# KiCad board DOOR-8CH.kicad_pcb
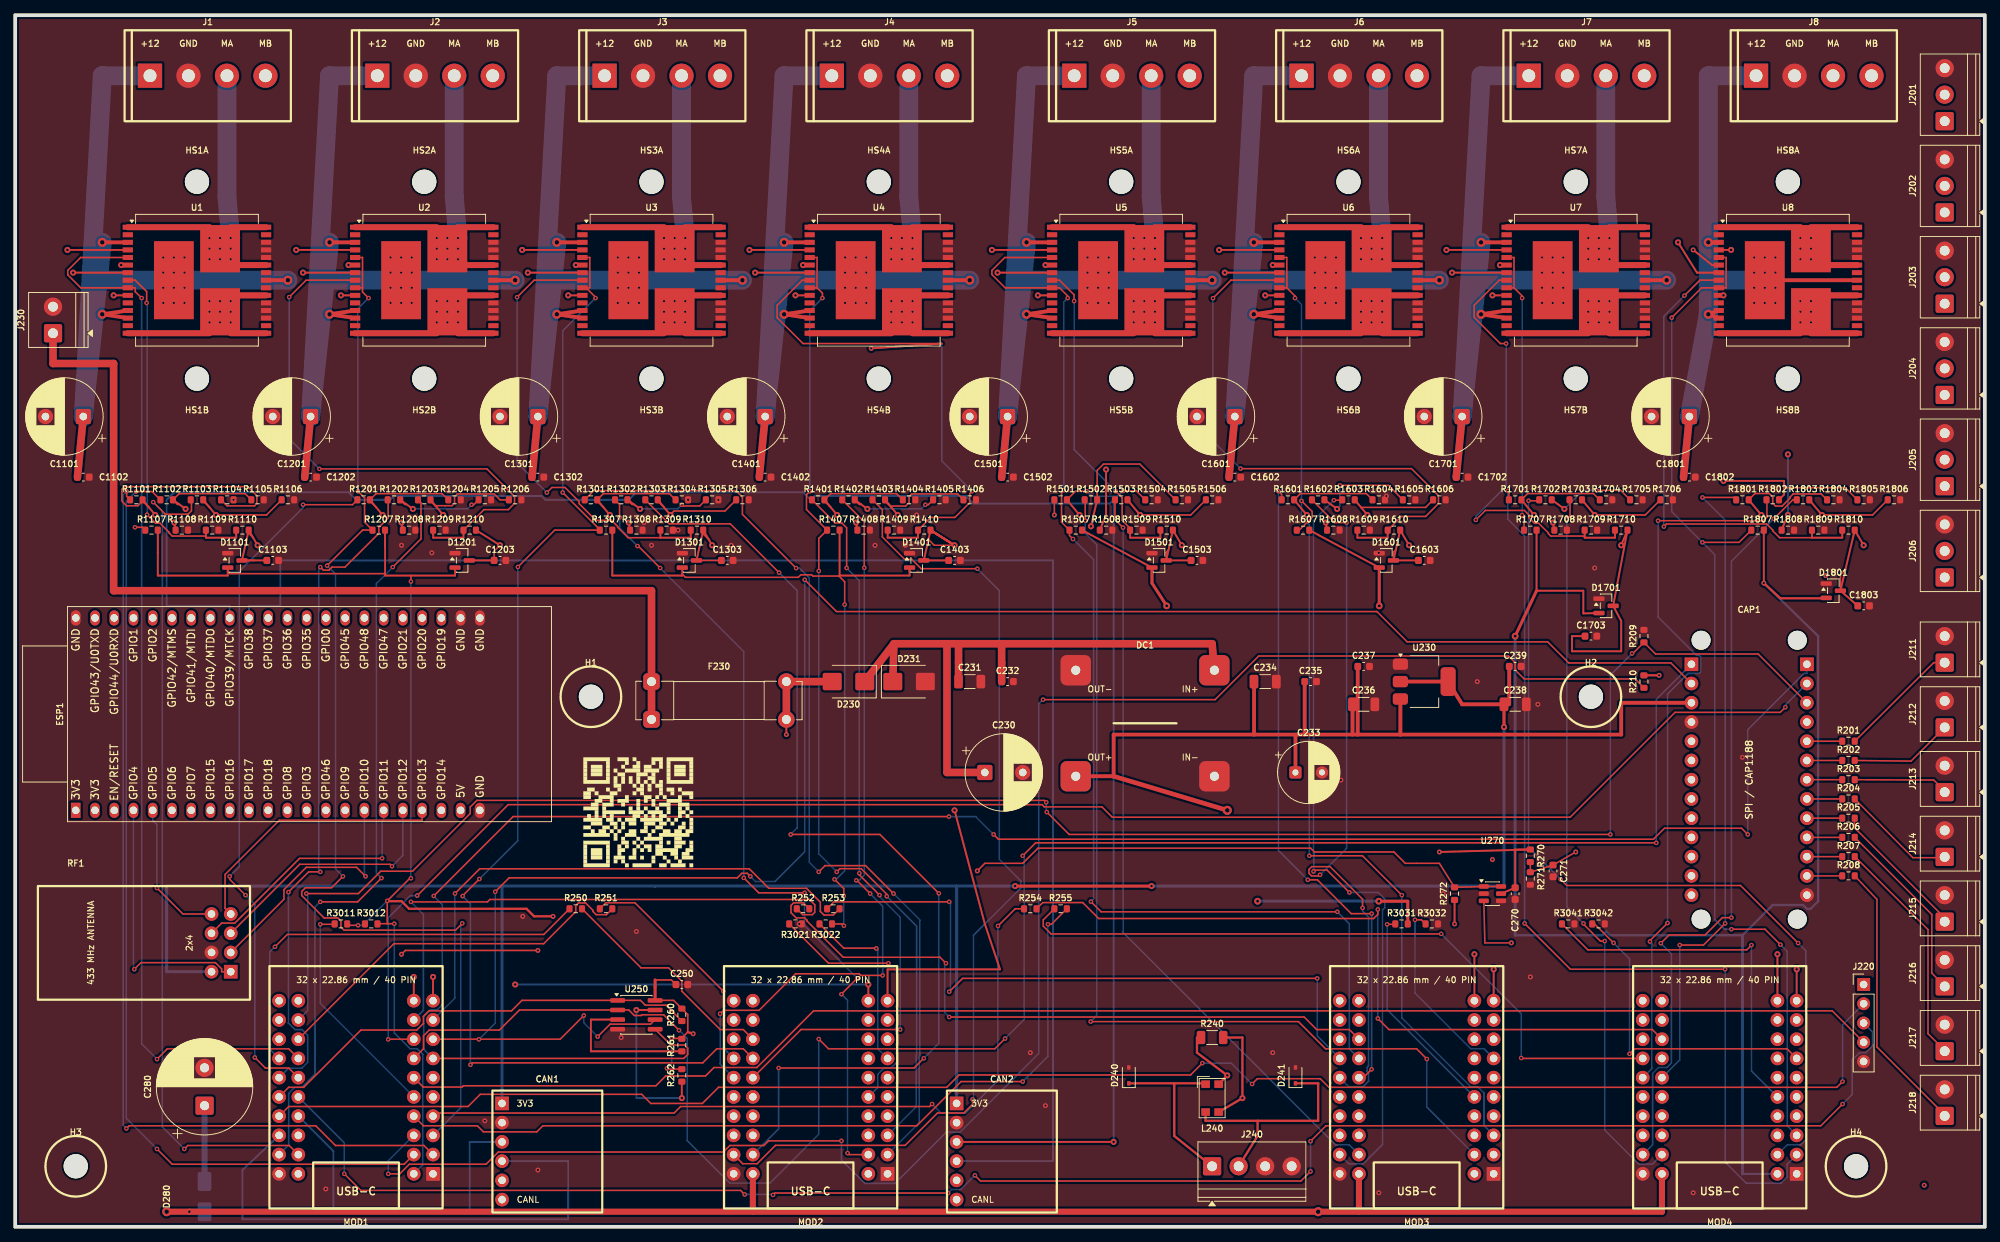
[diagram p0: board, top side]
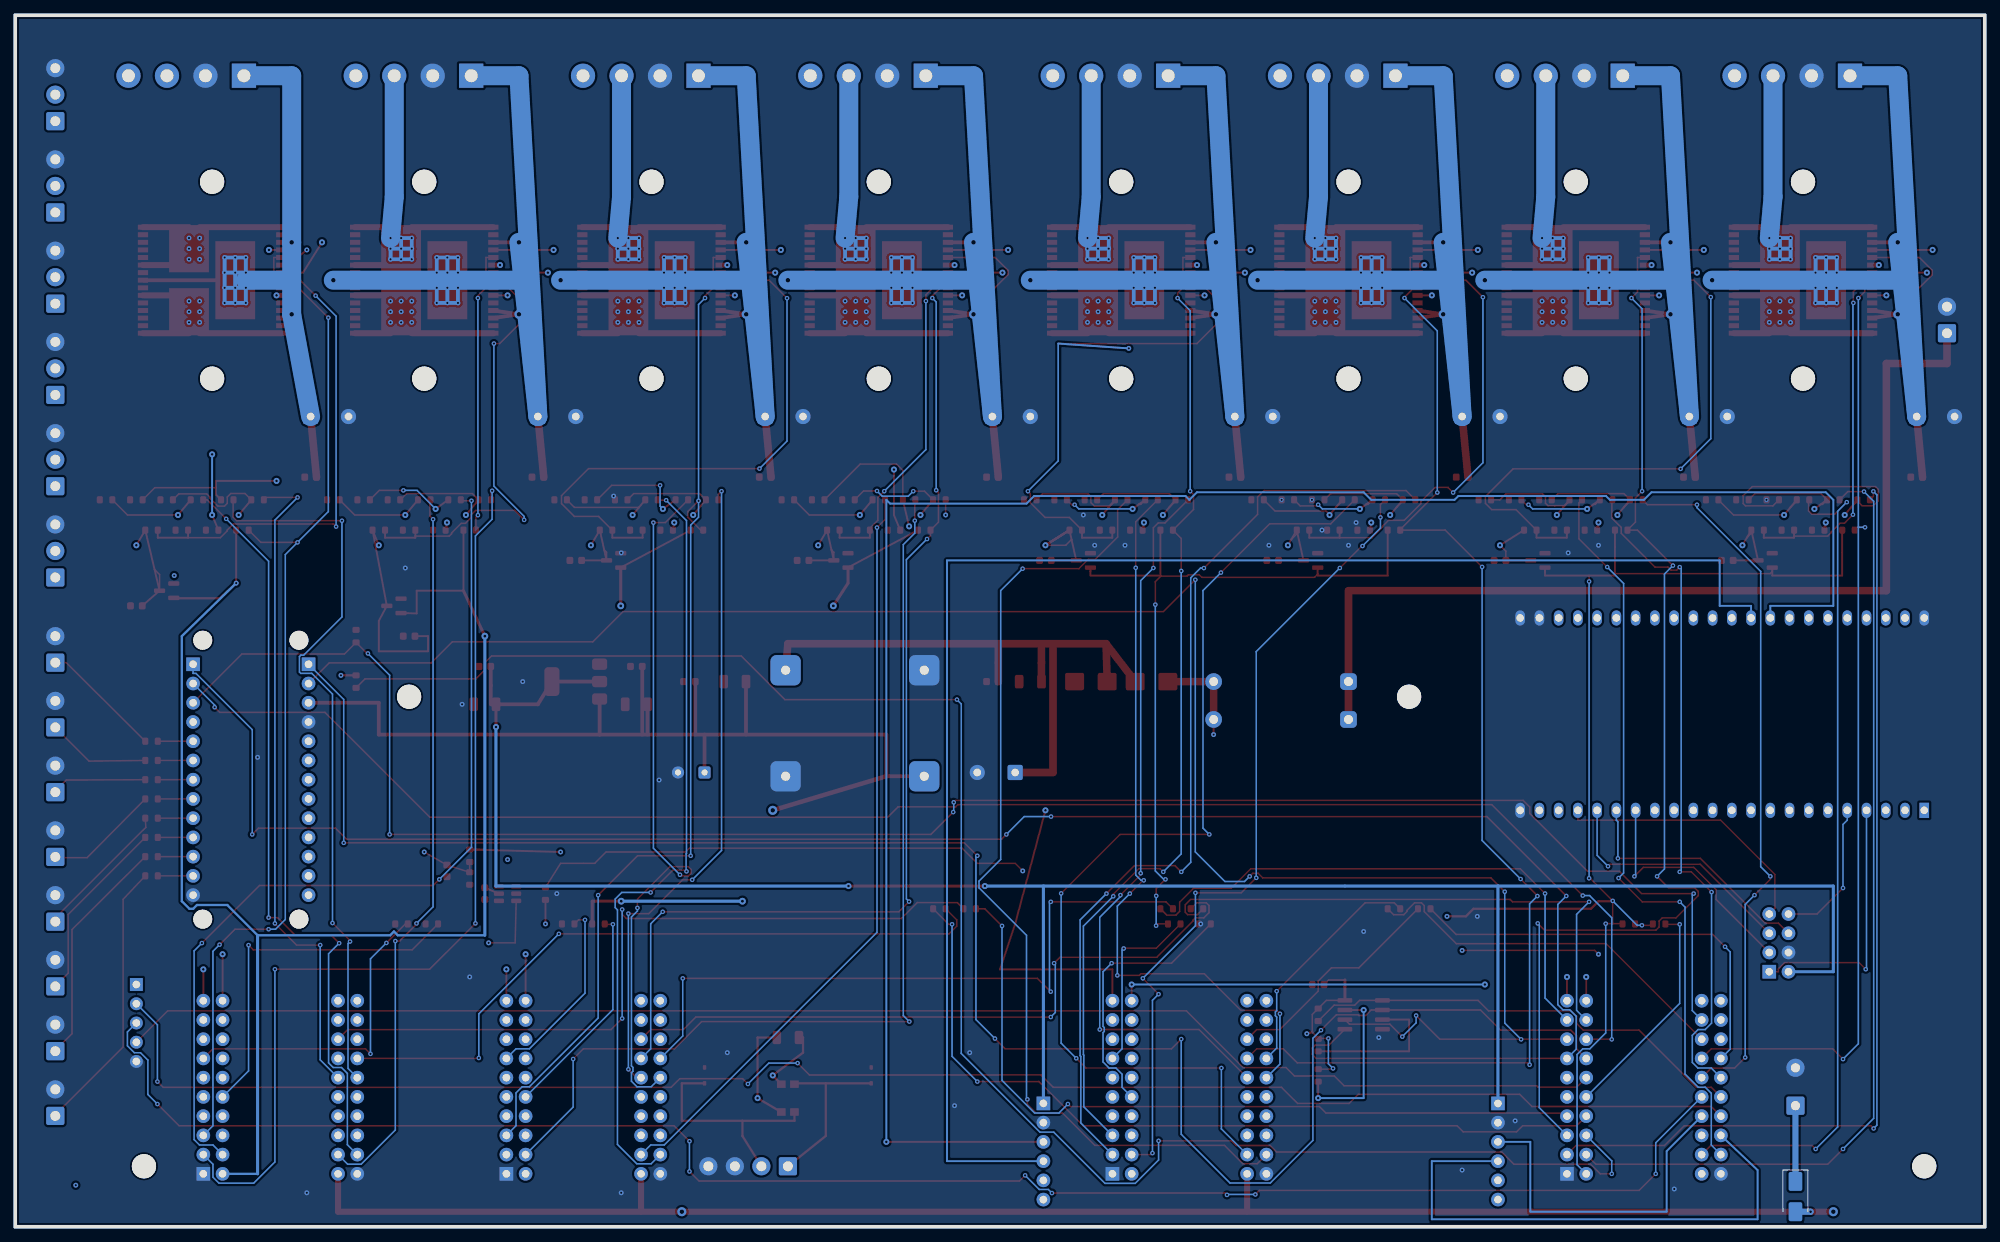
[diagram p1: board, bottom side, seen from below]

Outline 260 x 160 mm; copper layers: Top, In1.Cu (plane), In2.Cu (plane), Bottom. Coordinates in mm from the lower left corner of the outline.
Outline path: rectangle 0,160 260,0

## Placement (name value [footprint] x y rotation side)
C230  470UF_50V  [CP_Radial_D10.0mm_P5.00mm]  128 60 0 top
C231  1UF_50V  [C_1206_3216Metric]  126 72 0 top
C232  100NF_50V  [C_0603_1608Metric]  131 72 0 top
C233  220UF_10V  [CP_Radial_D8.0mm_P3.50mm]  169 60 0 top
C234  10UF_10V  [C_1206_3216Metric]  165 72 0 top
C235  100NF_16V  [C_0603_1608Metric]  171 72 0 top
C236  10UF_10V_3V3_IN  [C_1206_3216Metric]  178 69 0 top
C237  100NF_16V_3V3_IN  [C_0603_1608Metric]  178 74 0 top
C238  10UF_10V_3V3_OUT  [C_1206_3216Metric]  198 69 0 top
C239  100NF_16V_3V3_OUT  [C_0603_1608Metric]  198 74 0 top
C250  100NF_EEPROM  [C_0603_1608Metric]  88 32 0 top
C270  100NF_25V_PGOOD_VDD  [C_0603_1608Metric]  198 44 270 top
C271  100NF_PGOOD_FILTER  [C_0603_1608Metric]  203 47 270 top
C280  4700UF_10V_LOW_ESR_S1_HOLDUP  [CP_Radial_D12.5mm_P5.00mm]  25 16 90 top
C1101  470uF 35V LOW_ESR  [CP_Radial_D10.0mm_P5.00mm]  9 107 180 top
C1102  100nF 50V X7R VCC  [C_0603_1608Metric]  9 99 0 top
C1103  100nF ADC_FILTER  [C_0603_1608Metric]  34 88 0 top
C1201  470uF 35V LOW_ESR  [CP_Radial_D10.0mm_P5.00mm]  39 107 180 top
C1202  100nF 50V X7R VCC  [C_0603_1608Metric]  39 99 0 top
C1203  100nF ADC_FILTER  [C_0603_1608Metric]  64 88 0 top
C1301  470uF 35V LOW_ESR  [CP_Radial_D10.0mm_P5.00mm]  69 107 180 top
C1302  100nF 50V X7R VCC  [C_0603_1608Metric]  69 99 0 top
C1303  100nF ADC_FILTER  [C_0603_1608Metric]  94 88 0 top
C1401  470uF 35V LOW_ESR  [CP_Radial_D10.0mm_P5.00mm]  99 107 180 top
C1402  100nF 50V X7R VCC  [C_0603_1608Metric]  99 99 0 top
C1403  100nF ADC_FILTER  [C_0603_1608Metric]  124 88 0 top
C1501  470uF 35V LOW_ESR  [CP_Radial_D10.0mm_P5.00mm]  131 107 180 top
C1502  100nF 50V X7R VCC  [C_0603_1608Metric]  131 99 0 top
C1503  100nF ADC_FILTER  [C_0603_1608Metric]  156 88 0 top
C1601  470uF 35V LOW_ESR  [CP_Radial_D10.0mm_P5.00mm]  161 107 180 top
C1602  100nF 50V X7R VCC  [C_0603_1608Metric]  161 99 0 top
C1603  100nF ADC_FILTER  [C_0603_1608Metric]  186 88 0 top
C1701  470uF 35V LOW_ESR  [CP_Radial_D10.0mm_P5.00mm]  191 107 180 top
C1702  100nF 50V X7R VCC  [C_0603_1608Metric]  191 99 0 top
C1703  100nF ADC_FILTER  [C_0603_1608Metric]  208 78 0 top
C1801  470uF 35V LOW_ESR  [CP_Radial_D10.0mm_P5.00mm]  221 107 180 top
C1802  100nF 50V X7R VCC  [C_0603_1608Metric]  221 99 0 top
C1803  100nF ADC_FILTER  [C_0603_1608Metric]  244 82 0 top
CAN1  SN65HVD230_MASTER_CAN  [SN65HVD230_Module_14.5x16.1mm_1x06]  63 18 0 top
CAN2  SN65HVD230_ESP_CAN_OPTION  [SN65HVD230_Module_14.5x16.1mm_1x06]  123 18 0 top
CAP1  CAP1188_SPI  [CAP1188_Adafruit1602_Module_2x13]  220 80 0 top
D230  SS54_REVERSE_POLARITY  [D_SMB]  110 72 180 top
D231  SMBJ16A_TVS  [D_SMB]  118 72 0 top
D240  PESD1CAN_CANH  [D_SOD-323]  147 20 90 top
D241  PESD1CAN_CANL  [D_SOD-323]  169 20 90 top
D280  SS34_S1_HOLDUP_ISOLATION  [D_SMA]  25 4 270 bottom
D1101  BAT54S ADC_CLAMP  [SOT-23]  29 88 0 top
D1201  BAT54S ADC_CLAMP  [SOT-23]  59 88 0 top
D1301  BAT54S ADC_CLAMP  [SOT-23]  89 88 0 top
D1401  BAT54S ADC_CLAMP  [SOT-23]  119 88 0 top
D1501  BAT54S ADC_CLAMP  [SOT-23]  151 88 0 top
D1601  BAT54S ADC_CLAMP  [SOT-23]  181 88 0 top
D1701  BAT54S ADC_CLAMP  [SOT-23]  210 82 0 top
D1801  BAT54S ADC_CLAMP  [SOT-23]  240 84 0 top
DC1  MP1584_FIXED_5V  [MP1584_Fixed5V_Module_22.3x17mm]  138 75 0 top
ESP1  ESP32_S3_DEVKITC_DOUBLE_DOOR_ONLY  [ESP32-S3-DevKitC]  8 55 90 top
F230  1A_SLOW_5X20  [Fuseholder_Clip-5x20mm_Bel_FC-203-22_Lateral_P17.80x5.00mm_D1.17mm_Horizontal]  84 72 0 top
H1  M3.2_NPTH  [MountingHole_M3_2_NPTH]  76 70 0 top
H2  M3.2_NPTH  [MountingHole_M3_2_NPTH]  208 70 0 top
H3  M3.2_NPTH  [MountingHole_M3_2_NPTH]  8 8 0 top
H4  M3.2_NPTH  [MountingHole_M3_2_NPTH]  243 8 0 top
HS1A  M3.2 NPTH, TOP HEATSINK  [MountingHole_3.2mm_M3]  24 138 0 top
HS1B  M3.2 NPTH, TOP HEATSINK  [MountingHole_3.2mm_M3]  24 112 0 top
HS2A  M3.2 NPTH, TOP HEATSINK  [MountingHole_3.2mm_M3]  54 138 0 top
HS2B  M3.2 NPTH, TOP HEATSINK  [MountingHole_3.2mm_M3]  54 112 0 top
HS3A  M3.2 NPTH, TOP HEATSINK  [MountingHole_3.2mm_M3]  84 138 0 top
HS3B  M3.2 NPTH, TOP HEATSINK  [MountingHole_3.2mm_M3]  84 112 0 top
HS4A  M3.2 NPTH, TOP HEATSINK  [MountingHole_3.2mm_M3]  114 138 0 top
HS4B  M3.2 NPTH, TOP HEATSINK  [MountingHole_3.2mm_M3]  114 112 0 top
HS5A  M3.2 NPTH, TOP HEATSINK  [MountingHole_3.2mm_M3]  146 138 0 top
HS5B  M3.2 NPTH, TOP HEATSINK  [MountingHole_3.2mm_M3]  146 112 0 top
HS6A  M3.2 NPTH, TOP HEATSINK  [MountingHole_3.2mm_M3]  176 138 0 top
HS6B  M3.2 NPTH, TOP HEATSINK  [MountingHole_3.2mm_M3]  176 112 0 top
HS7A  M3.2 NPTH, TOP HEATSINK  [MountingHole_3.2mm_M3]  206 138 0 top
HS7B  M3.2 NPTH, TOP HEATSINK  [MountingHole_3.2mm_M3]  206 112 0 top
HS8A  M3.2 NPTH, TOP HEATSINK  [MountingHole_3.2mm_M3]  234 138 0 top
HS8B  M3.2 NPTH, TOP HEATSINK  [MountingHole_3.2mm_M3]  234 112 0 top
J1  ACTUATOR_CH1_4P  [DINKLE_2EHDRC-04P_P5.08mm]  17.8 152 0 top
J2  ACTUATOR_CH2_4P  [DINKLE_2EHDRC-04P_P5.08mm]  47.8 152 0 top
J3  ACTUATOR_CH3_4P  [DINKLE_2EHDRC-04P_P5.08mm]  77.8 152 0 top
J4  ACTUATOR_CH4_4P  [DINKLE_2EHDRC-04P_P5.08mm]  107.8 152 0 top
J5  ACTUATOR_CH5_4P  [DINKLE_2EHDRC-04P_P5.08mm]  139.8 152 0 top
J6  ACTUATOR_CH6_4P  [DINKLE_2EHDRC-04P_P5.08mm]  169.8 152 0 top
J7  ACTUATOR_CH7_4P  [DINKLE_2EHDRC-04P_P5.08mm]  199.8 152 0 top
J8  ACTUATOR_CH8_4P  [DINKLE_2EHDRC-04P_P5.08mm]  229.8 152 0 top
J201  REED_A_OPEN_3V3_SIG_GND  [TerminalBlock_Phoenix_PT-1,5-3-3.5-H_1x03_P3.50mm_Horizontal]  254.7 146 90 top
J202  REED_A_CLOSED_3V3_SIG_GND  [TerminalBlock_Phoenix_PT-1,5-3-3.5-H_1x03_P3.50mm_Horizontal]  254.7 133.95 90 top
J203  REED_A_IN_PLACE_3V3_SIG_GND  [TerminalBlock_Phoenix_PT-1,5-3-3.5-H_1x03_P3.50mm_Horizontal]  254.7 121.9 90 top
J204  REED_B_OPEN_3V3_SIG_GND  [TerminalBlock_Phoenix_PT-1,5-3-3.5-H_1x03_P3.50mm_Horizontal]  254.7 109.85 90 top
J205  REED_B_CLOSED_3V3_SIG_GND  [TerminalBlock_Phoenix_PT-1,5-3-3.5-H_1x03_P3.50mm_Horizontal]  254.7 97.8 90 top
J206  REED_B_IN_PLACE_3V3_SIG_GND  [TerminalBlock_Phoenix_PT-1,5-3-3.5-H_1x03_P3.50mm_Horizontal]  254.7 85.75 90 top
J211  CAP_CS1_GND  [TerminalBlock_Phoenix_PT-1,5-2-3.5-H_1x02_P3.50mm_Horizontal]  254.7 74.5 90 top
J212  CAP_CS2_GND  [TerminalBlock_Phoenix_PT-1,5-2-3.5-H_1x02_P3.50mm_Horizontal]  254.7 65.95 90 top
J213  CAP_CS3_GND  [TerminalBlock_Phoenix_PT-1,5-2-3.5-H_1x02_P3.50mm_Horizontal]  254.7 57.4 90 top
J214  CAP_CS4_GND  [TerminalBlock_Phoenix_PT-1,5-2-3.5-H_1x02_P3.50mm_Horizontal]  254.7 48.85 90 top
J215  CAP_CS5_GND  [TerminalBlock_Phoenix_PT-1,5-2-3.5-H_1x02_P3.50mm_Horizontal]  254.7 40.3 90 top
J216  CAP_CS6_GND  [TerminalBlock_Phoenix_PT-1,5-2-3.5-H_1x02_P3.50mm_Horizontal]  254.7 31.75 90 top
J217  CAP_CS7_GND  [TerminalBlock_Phoenix_PT-1,5-2-3.5-H_1x02_P3.50mm_Horizontal]  254.7 23.2 90 top
J218  CAP_CS8_GND  [TerminalBlock_Phoenix_PT-1,5-2-3.5-H_1x02_P3.50mm_Horizontal]  254.7 14.65 90 top
J220  SWD_S1_3V3_DIO_CLK_NRST_GND  [PinHeader_1x05_P2.54mm_Vertical]  244 32 0 top
J230  LOGIC_12V_GND  [TerminalBlock_Phoenix_PT-1,5-2-3.5-H_1x02_P3.50mm_Horizontal]  5 118 90 top
J240  CANH_CANL_GND_SHIELD  [TerminalBlock_Phoenix_PT-1,5-4-3.5-H_1x04_P3.50mm_Horizontal]  158 8 0 top
L240  CMC_CAN  [L_CommonModeChoke_Coilcraft_1812CAN]  158 17 0 top
MOD1  STM32F103C8T6_MINI_SLOT_S1  [STM32F103C8T6_Mini_CH340_4x10]  55.16 7 180 top
MOD2  STM32F103C8T6_MINI_SLOT_S2  [STM32F103C8T6_Mini_CH340_4x10]  115.16 7 180 top
MOD3  STM32F103C8T6_MINI_SLOT_S3  [STM32F103C8T6_Mini_CH340_4x10]  195.16 7 180 top
MOD4  STM32F103C8T6_MINI_SLOT_S4  [STM32F103C8T6_Mini_CH340_4x10]  235.16 7 180 top
QR1  TELEGRAM_SEREZHIK_EZHIK  []  73 64 0 top
R201  1K_CAP_INPUT  [R_0603_1608Metric]  242 64.12 0 top
R202  1K_CAP_INPUT  [R_0603_1608Metric]  242 61.58 0 top
R203  1K_CAP_INPUT  [R_0603_1608Metric]  242 59.05 0 top
R204  1K_CAP_INPUT  [R_0603_1608Metric]  242 56.5 0 top
R205  1K_CAP_INPUT  [R_0603_1608Metric]  242 53.97 0 top
R206  1K_CAP_INPUT  [R_0603_1608Metric]  242 51.42 0 top
R207  1K_CAP_INPUT  [R_0603_1608Metric]  242 48.89 0 top
R208  1K_CAP_INPUT  [R_0603_1608Metric]  242 46.34 0 top
R209  10K_CAP_RESET_PULLDOWN  [R_0603_1608Metric]  215 78 90 top
R210  10K_CAP_IRQ_PULLUP  [R_0603_1608Metric]  215 72 90 top
R240  120R_CAN_TERM_DNP  [R_1206_3216Metric]  158 25 0 top
R250  100R_UART_TX  [R_0603_1608Metric]  74 42 0 top
R251  100R_UART_TX  [R_0603_1608Metric]  78 42 0 top
R252  100R_UART_TX  [R_0603_1608Metric]  104 42 0 top
R253  100R_UART_TX  [R_0603_1608Metric]  108 42 0 top
R254  100R_UART_TX  [R_0603_1608Metric]  134 42 0 top
R255  100R_UART_TX  [R_0603_1608Metric]  138 42 0 top
R260  10K_EEPROM_CS_PULLUP  [R_0603_1608Metric]  88 28 90 top
R261  10K_EEPROM_WP_PULLUP  [R_0603_1608Metric]  88 24 90 top
R262  10K_EEPROM_HOLD_PULLUP  [R_0603_1608Metric]  88 20 90 top
R270  226K_1%_PGOOD_TOP  [R_0603_1608Metric]  200 49 270 top
R271  10K_1%_PGOOD_BOTTOM  [R_0603_1608Metric]  200 46 270 top
R272  10K_PGOOD_PULLUP  [R_0603_1608Metric]  190 44 90 top
R1101  100R INA_SER  [R_0603_1608Metric]  16 96 0 top
R1102  100R INB_SER  [R_0603_1608Metric]  20 96 0 top
R1103  100R PWM_SER  [R_0603_1608Metric]  24 96 0 top
R1104  10K INA_PULLDOWN  [R_0603_1608Metric]  28 96 0 top
R1105  10K INB_PULLDOWN  [R_0603_1608Metric]  32 96 0 top
R1106  10K PWM_PULLDOWN  [R_0603_1608Metric]  36 96 0 top
R1107  4K7 DIAG_PULLUP  [R_0603_1608Metric]  18 92 0 top
R1108  10K CS_DIS_PULLDOWN  [R_0603_1608Metric]  22 92 0 top
R1109  1K 1% CS_LOAD  [R_0603_1608Metric]  26 92 0 top
R1110  10K ADC_SERIES  [R_0603_1608Metric]  30 92 0 top
R1201  100R INA_SER  [R_0603_1608Metric]  46 96 0 top
R1202  100R INB_SER  [R_0603_1608Metric]  50 96 0 top
R1203  100R PWM_SER  [R_0603_1608Metric]  54 96 0 top
R1204  10K INA_PULLDOWN  [R_0603_1608Metric]  58 96 0 top
R1205  10K INB_PULLDOWN  [R_0603_1608Metric]  62 96 0 top
R1206  10K PWM_PULLDOWN  [R_0603_1608Metric]  66 96 0 top
R1207  4K7 DIAG_PULLUP  [R_0603_1608Metric]  48 92 0 top
R1208  10K CS_DIS_PULLDOWN  [R_0603_1608Metric]  52 92 0 top
R1209  1K 1% CS_LOAD  [R_0603_1608Metric]  56 92 0 top
R1210  10K ADC_SERIES  [R_0603_1608Metric]  60 92 0 top
R1301  100R INA_SER  [R_0603_1608Metric]  76 96 0 top
R1302  100R INB_SER  [R_0603_1608Metric]  80 96 0 top
R1303  100R PWM_SER  [R_0603_1608Metric]  84 96 0 top
R1304  10K INA_PULLDOWN  [R_0603_1608Metric]  88 96 0 top
R1305  10K INB_PULLDOWN  [R_0603_1608Metric]  92 96 0 top
R1306  10K PWM_PULLDOWN  [R_0603_1608Metric]  96 96 0 top
R1307  4K7 DIAG_PULLUP  [R_0603_1608Metric]  78 92 0 top
R1308  10K CS_DIS_PULLDOWN  [R_0603_1608Metric]  82 92 0 top
R1309  1K 1% CS_LOAD  [R_0603_1608Metric]  86 92 0 top
R1310  10K ADC_SERIES  [R_0603_1608Metric]  90 92 0 top
R1401  100R INA_SER  [R_0603_1608Metric]  106 96 0 top
R1402  100R INB_SER  [R_0603_1608Metric]  110 96 0 top
R1403  100R PWM_SER  [R_0603_1608Metric]  114 96 0 top
R1404  10K INA_PULLDOWN  [R_0603_1608Metric]  118 96 0 top
R1405  10K INB_PULLDOWN  [R_0603_1608Metric]  122 96 0 top
R1406  10K PWM_PULLDOWN  [R_0603_1608Metric]  126 96 0 top
R1407  4K7 DIAG_PULLUP  [R_0603_1608Metric]  108 92 0 top
R1408  10K CS_DIS_PULLDOWN  [R_0603_1608Metric]  112 92 0 top
R1409  1K 1% CS_LOAD  [R_0603_1608Metric]  116 92 0 top
R1410  10K ADC_SERIES  [R_0603_1608Metric]  120 92 0 top
R1501  100R INA_SER  [R_0603_1608Metric]  138 96 0 top
R1502  100R INB_SER  [R_0603_1608Metric]  142 96 0 top
R1503  100R PWM_SER  [R_0603_1608Metric]  146 96 0 top
R1504  10K INA_PULLDOWN  [R_0603_1608Metric]  150 96 0 top
R1505  10K INB_PULLDOWN  [R_0603_1608Metric]  154 96 0 top
R1506  10K PWM_PULLDOWN  [R_0603_1608Metric]  158 96 0 top
R1507  4K7 DIAG_PULLUP  [R_0603_1608Metric]  140 92 0 top
R1508  10K CS_DIS_PULLDOWN  [R_0603_1608Metric]  144 92 0 top
R1509  1K 1% CS_LOAD  [R_0603_1608Metric]  148 92 0 top
R1510  10K ADC_SERIES  [R_0603_1608Metric]  152 92 0 top
R1601  100R INA_SER  [R_0603_1608Metric]  168 96 0 top
R1602  100R INB_SER  [R_0603_1608Metric]  172 96 0 top
R1603  100R PWM_SER  [R_0603_1608Metric]  176 96 0 top
R1604  10K INA_PULLDOWN  [R_0603_1608Metric]  180 96 0 top
R1605  10K INB_PULLDOWN  [R_0603_1608Metric]  184 96 0 top
R1606  10K PWM_PULLDOWN  [R_0603_1608Metric]  188 96 0 top
R1607  4K7 DIAG_PULLUP  [R_0603_1608Metric]  170 92 0 top
R1608  10K CS_DIS_PULLDOWN  [R_0603_1608Metric]  174 92 0 top
R1609  1K 1% CS_LOAD  [R_0603_1608Metric]  178 92 0 top
R1610  10K ADC_SERIES  [R_0603_1608Metric]  182 92 0 top
R1701  100R INA_SER  [R_0603_1608Metric]  198 96 0 top
R1702  100R INB_SER  [R_0603_1608Metric]  202 96 0 top
R1703  100R PWM_SER  [R_0603_1608Metric]  206 96 0 top
R1704  10K INA_PULLDOWN  [R_0603_1608Metric]  210 96 0 top
R1705  10K INB_PULLDOWN  [R_0603_1608Metric]  214 96 0 top
R1706  10K PWM_PULLDOWN  [R_0603_1608Metric]  218 96 0 top
R1707  4K7 DIAG_PULLUP  [R_0603_1608Metric]  200 92 0 top
R1708  10K CS_DIS_PULLDOWN  [R_0603_1608Metric]  204 92 0 top
R1709  1K 1% CS_LOAD  [R_0603_1608Metric]  208 92 0 top
R1710  10K ADC_SERIES  [R_0603_1608Metric]  212 92 0 top
R1801  100R INA_SER  [R_0603_1608Metric]  228 96 0 top
R1802  100R INB_SER  [R_0603_1608Metric]  232 96 0 top
R1803  100R PWM_SER  [R_0603_1608Metric]  236 96 0 top
R1804  10K INA_PULLDOWN  [R_0603_1608Metric]  240 96 0 top
R1805  10K INB_PULLDOWN  [R_0603_1608Metric]  244 96 0 top
R1806  10K PWM_PULLDOWN  [R_0603_1608Metric]  248 96 0 top
R1807  4K7 DIAG_PULLUP  [R_0603_1608Metric]  230 92 0 top
R1808  10K CS_DIS_PULLDOWN  [R_0603_1608Metric]  234 92 0 top
R1809  1K 1% CS_LOAD  [R_0603_1608Metric]  238 92 0 top
R1810  10K ADC_SERIES  [R_0603_1608Metric]  242 92 0 top
R3011  47K SLOT_S1_ID0  [R_0603_1608Metric]  43 40 0 top
R3012  47K SLOT_S1_ID1  [R_0603_1608Metric]  47 40 0 top
R3021  0R SLOT_S2_ID0  [R_0603_1608Metric]  103 40 0 top
R3022  47K SLOT_S2_ID1  [R_0603_1608Metric]  107 40 0 top
R3031  47K SLOT_S3_ID0  [R_0603_1608Metric]  183 40 0 top
R3032  0R SLOT_S3_ID1  [R_0603_1608Metric]  187 40 0 top
R3041  0R SLOT_S4_ID0  [R_0603_1608Metric]  205 40 0 top
R3042  0R SLOT_S4_ID1  [R_0603_1608Metric]  209 40 0 top
RF1  CC1101_433MHZ  [CC1101_433MHz_Module_28x15mm_2x04]  31 30 180 top
U1  VNH5019A-E  [ST_MultiPowerSO-30]  24 125 0 top
U2  VNH5019A-E  [ST_MultiPowerSO-30]  54 125 0 top
U3  VNH5019A-E  [ST_MultiPowerSO-30]  84 125 0 top
U4  VNH5019A-E  [ST_MultiPowerSO-30]  114 125 0 top
U5  VNH5019A-E  [ST_MultiPowerSO-30]  146 125 0 top
U6  VNH5019A-E  [ST_MultiPowerSO-30]  176 125 0 top
U7  VNH5019A-E  [ST_MultiPowerSO-30]  206 125 0 top
U8  VNH5019A-E  [ST_MultiPowerSO-30]  234 125 0 top
U230  AMS1117-3V3  [SOT-223-3_TabPin2]  186 72 0 top
U250  25LC256_SOIC8_CARRIER_ID  [SOIC-8_3.9x4.9mm_P1.27mm]  82 28 0 top
U270  TLV6700DDCR_POWER_MONITOR  [SOT-23-6]  195 44 0 top

## Library data of the parts
C230 C233 C280 C1101 C1201 C1301 C1401 C1501 C1601 C1701 C1801 = -: KiLib_Generator: capacitor/THT/other
C231 C232 C234-C239 C250 C270 C271 C1102 C1103 C1202 C1203 C1302 C1303 C1402 C1403 C1502 C1503 C1602 C1603 C1702 C1703 C1802 C1803 R201-R210 R240 R250-R255 R260-R262 R270-R272 R1101-R1110 R1201-R1210 R1301-R1310 R1401-R1410 R1501-R1510 R1601-R1610 R1701-R1710 R1801-R1810 R3011 R3012 R3021 R3022 R3031 R3032 R3041 R3042 = -: KiLib_Generator: SMD_2terminal_chip_molded
D1101 D1201 D1301 D1401 D1501 D1601 D1701 D1801 U250 U270 = -: KiLib_Generator: package/gullwing
HS1A HS1B HS2A HS2B HS3A HS3B HS4A HS4B HS5A HS5B HS6A HS6B HS7A HS7B HS8A HS8B = -: KiLib_Generator: mounting_hardware/mounting_hole
J201-J206 J211-J218 J230 J240 = -: KiLib_Generator: terminal_block/Phoenix
J220 = -: KiLib_Generator: connector/pin_header_socket

## Footprints (pads in the part's own frame, mm; a bottom-side part is the same pattern mirrored in y, then rotated)
C_0603_1608Metric
  rrect 0.9x0.95 smd: 1(-0.775,0) 2(0.775,0)
C_1206_3216Metric
  rrect 1.15x1.8 smd: 1(-1.475,0) 2(1.475,0)
CAP1188_Adafruit1602_Module_2x13
  round 2.5 hole 2.5 unplated: (2.54,-2.54) (2.54,-39.37) (15.24,-2.54) (15.24,-39.37)
  rect 1.8x1.8 hole 1: 1(1.27,-5.715) 14(16.51,-5.715)
  round 1.8 hole 1: 2(1.27,-8.255) 3(1.27,-10.795) 4(1.27,-13.335) 5(1.27,-15.875) 6(1.27,-18.415) 7(1.27,-20.955) 8(1.27,-23.495) 9(1.27,-26.035) 10(1.27,-28.575) 11(1.27,-31.115) 12(1.27,-33.655) 13(1.27,-36.195) 15(16.51,-8.255) 16(16.51,-10.795) 17(16.51,-13.335) 18(16.51,-15.875) 19(16.51,-18.415) 20(16.51,-20.955) 21(16.51,-23.495) 22(16.51,-26.035) 23(16.51,-28.575) 24(16.51,-31.115) 25(16.51,-33.655) 26(16.51,-36.195)
CC1101_433MHz_Module_28x15mm_2x04
  rect 1.8x1.8 hole 1: 1(2.54,-3.69)
  round 1.8 hole 1: 2(5.08,-3.69) 3(2.54,-6.23) 4(5.08,-6.23) 5(2.54,-8.77) 6(5.08,-8.77) 7(2.54,-11.31) 8(5.08,-11.31)
CP_Radial_D8.0mm_P3.50mm
  rrect 1.6x1.6 hole 0.8: 1(0,0)
  round 1.6 hole 0.8: 2(3.5,0)
CP_Radial_D10.0mm_P5.00mm
  rrect 2x2 hole 1: 1(0,0)
  round 2 hole 1: 2(5,0)
CP_Radial_D12.5mm_P5.00mm
  rrect 2.4x2.4 hole 1.2: 1(0,0)
  round 2.4 hole 1.2: 2(5,0)
D_SMA
  rrect 2.5x1.8 smd: 1(-2,0) 2(2,0)
D_SMB
  rrect 2.5x2.3 smd: 1(-2.15,0) 2(2.15,0)
D_SOD-323
  rrect 0.6x0.45 smd: 1(-1.05,0) 2(1.05,0)
DINKLE_2EHDRC-04P_P5.08mm
  rect 3.2x3.2 hole 1.7: 1(0,0)
  round 3.2 hole 1.7: 2(5.08,0) 3(10.16,0) 4(15.24,0)
ESP32-S3-DevKitC
  rect 2x1.27 hole 1: 1(0,0)
  oval 2x1.27 hole 1: 2(0,-2.54) 3(0,-5.08) 4(0,-7.62) 5(0,-10.16) 6(0,-12.7) 7(0,-15.24) 8(0,-17.78) 9(0,-20.32) 10(0,-22.86) 11(0,-25.4) 12(0,-27.94) 13(0,-30.48) 14(0,-33.02) 15(0,-35.56) 16(0,-38.1) 17(0,-40.64) 18(0,-43.18) 19(0,-45.72) 20(-0.004,-48.257) 21(-0.004,-50.797) 22(-0.004,-53.337) 23(25.4,-53.34) 24(25.4,-50.8) 25(25.4,-48.26) 26(25.4,-45.72) 27(25.4,-43.18) 28(25.4,-40.64) 29(25.4,-38.1) 30(25.4,-35.56) 31(25.4,-33.02) 32(25.4,-30.48) 33(25.4,-27.94) 34(25.4,-25.4) 35(25.4,-22.86) 36(25.4,-20.32) 37(25.4,-17.78) 38(25.4,-15.24) 39(25.4,-12.7) 40(25.4,-10.16) 41(25.4,-7.62) 42(25.4,-5.08) 43(25.4,-2.54) 44(25.4,0)
Fuseholder_Clip-5x20mm_Bel_FC-203-22_Lateral_P17.80x5.00mm_D1.17mm_Horizontal
  rrect 2.2x2.2 hole 1.17: 1(0,0) 1(0,-5)
  round 2.2 hole 1.17: 2(17.8,0) 2(17.8,-5)
L_CommonModeChoke_Coilcraft_1812CAN
  rrect 1.15x1 smd: 1(-0.865,1.84) 2(-0.865,-1.84) 3(0.865,-1.84) 4(0.865,1.84)
MountingHole_3.2mm_M3
  round 3.2 hole 3.2 unplated: (0,0)
MountingHole_M3_2_NPTH
  round 3.2 hole 3.2 unplated: (0,0)
MP1584_Fixed5V_Module_22.3x17mm
  rrect 4x4 hole 1.2: 1(20.3,-1.5) 2(20.3,-15.5) 3(2,-15.5) 4(2,-1.5)
PinHeader_1x05_P2.54mm_Vertical
  rect 1.7x1.7 hole 1: 1(0,0)
  round 1.7 hole 1: 2(0,-2.54) 3(0,-5.08) 4(0,-7.62) 5(0,-10.16)
R_0603_1608Metric
  rrect 0.8x0.95 smd: 1(-0.825,0) 2(0.825,0)
R_1206_3216Metric
  rrect 1.125x1.75 smd: 1(-1.462,0) 2(1.462,0)
SN65HVD230_Module_14.5x16.1mm_1x06
  rect 1.8x1.8 hole 1: 1(1.27,-1.7)
  round 1.8 hole 1: 2(1.27,-4.24) 3(1.27,-6.78) 4(1.27,-9.32) 5(1.27,-11.86) 6(1.27,-14.4)
SOIC-8_3.9x4.9mm_P1.27mm
  rrect 1.95x0.6 smd: 1(-2.475,1.905) 2(-2.475,0.635) 3(-2.475,-0.635) 4(-2.475,-1.905) 5(2.475,-1.905) 6(2.475,-0.635) 7(2.475,0.635) 8(2.475,1.905)
SOT-23
  rrect 1.475x0.6 smd: 1(-0.938,0.95) 2(-0.938,-0.95) 3(0.938,0)
SOT-23-6
  rrect 1.325x0.6 smd: 1(-1.137,0.95) 2(-1.137,0) 3(-1.137,-0.95) 4(1.137,-0.95) 5(1.137,0) 6(1.137,0.95)
SOT-223-3_TabPin2
  rrect 2x1.5 smd: 1(-3.15,2.3) 2(-3.15,0) 3(-3.15,-2.3)
  rrect 2x3.8 smd: 2(3.15,0)
ST_MultiPowerSO-30
  rect 1.35x0.66 smd: 1(-9.125,7) 2(-9.125,6) 3(-9.125,5) 4(-9.125,4) 5(-9.125,3) 6(-9.125,2) 7(-9.125,1) 8(-9.125,0) 9(-9.125,-1) 10(-9.125,-2) 11(-9.125,-3) 12(-9.125,-4) 13(-9.125,-5) 14(-9.125,-6) 15(-9.125,-7) 16(9.125,-7) 17(9.125,-6) 18(9.125,-5) 19(9.125,-4) 20(9.125,-3) 21(9.125,-2) 22(9.125,-1) 23(9.125,0) 24(9.125,1) 25(9.125,2) 26(9.125,3) 27(9.125,4) 28(9.125,5) 29(9.125,6) 30(9.125,7)
  rect 5.25x10.3 smd: 31(-3.05,0)
  rect 5.25x6.23 smd: 32(3.05,-4.165) 33(3.05,4.165)
STM32F103C8T6_Mini_CH340_4x10
  rect 1.8x1.8 hole 1: 1(0,0)
  round 1.8 hole 1: 2(0,-2.54) 3(0,-5.08) 4(0,-7.62) 5(0,-10.16) 6(0,-12.7) 7(0,-15.24) 8(0,-17.78) 9(0,-20.32) 10(0,-22.86) 11(2.54,0) 12(2.54,-2.54) 13(2.54,-5.08) 14(2.54,-7.62) 15(2.54,-10.16) 16(2.54,-12.7) 17(2.54,-15.24) 18(2.54,-17.78) 19(2.54,-20.32) 20(2.54,-22.86) 21(17.78,0) 22(17.78,-2.54) 23(17.78,-5.08) 24(17.78,-7.62) 25(17.78,-10.16) 26(17.78,-12.7) 27(17.78,-15.24) 28(17.78,-17.78) 29(17.78,-20.32) 30(17.78,-22.86) 31(20.32,0) 32(20.32,-2.54) 33(20.32,-5.08) 34(20.32,-7.62) 35(20.32,-10.16) 36(20.32,-12.7) 37(20.32,-15.24) 38(20.32,-17.78) 39(20.32,-20.32) 40(20.32,-22.86)